# Altium PCB POT 10x8.PcbDoc (part 4 of 4) (continued)
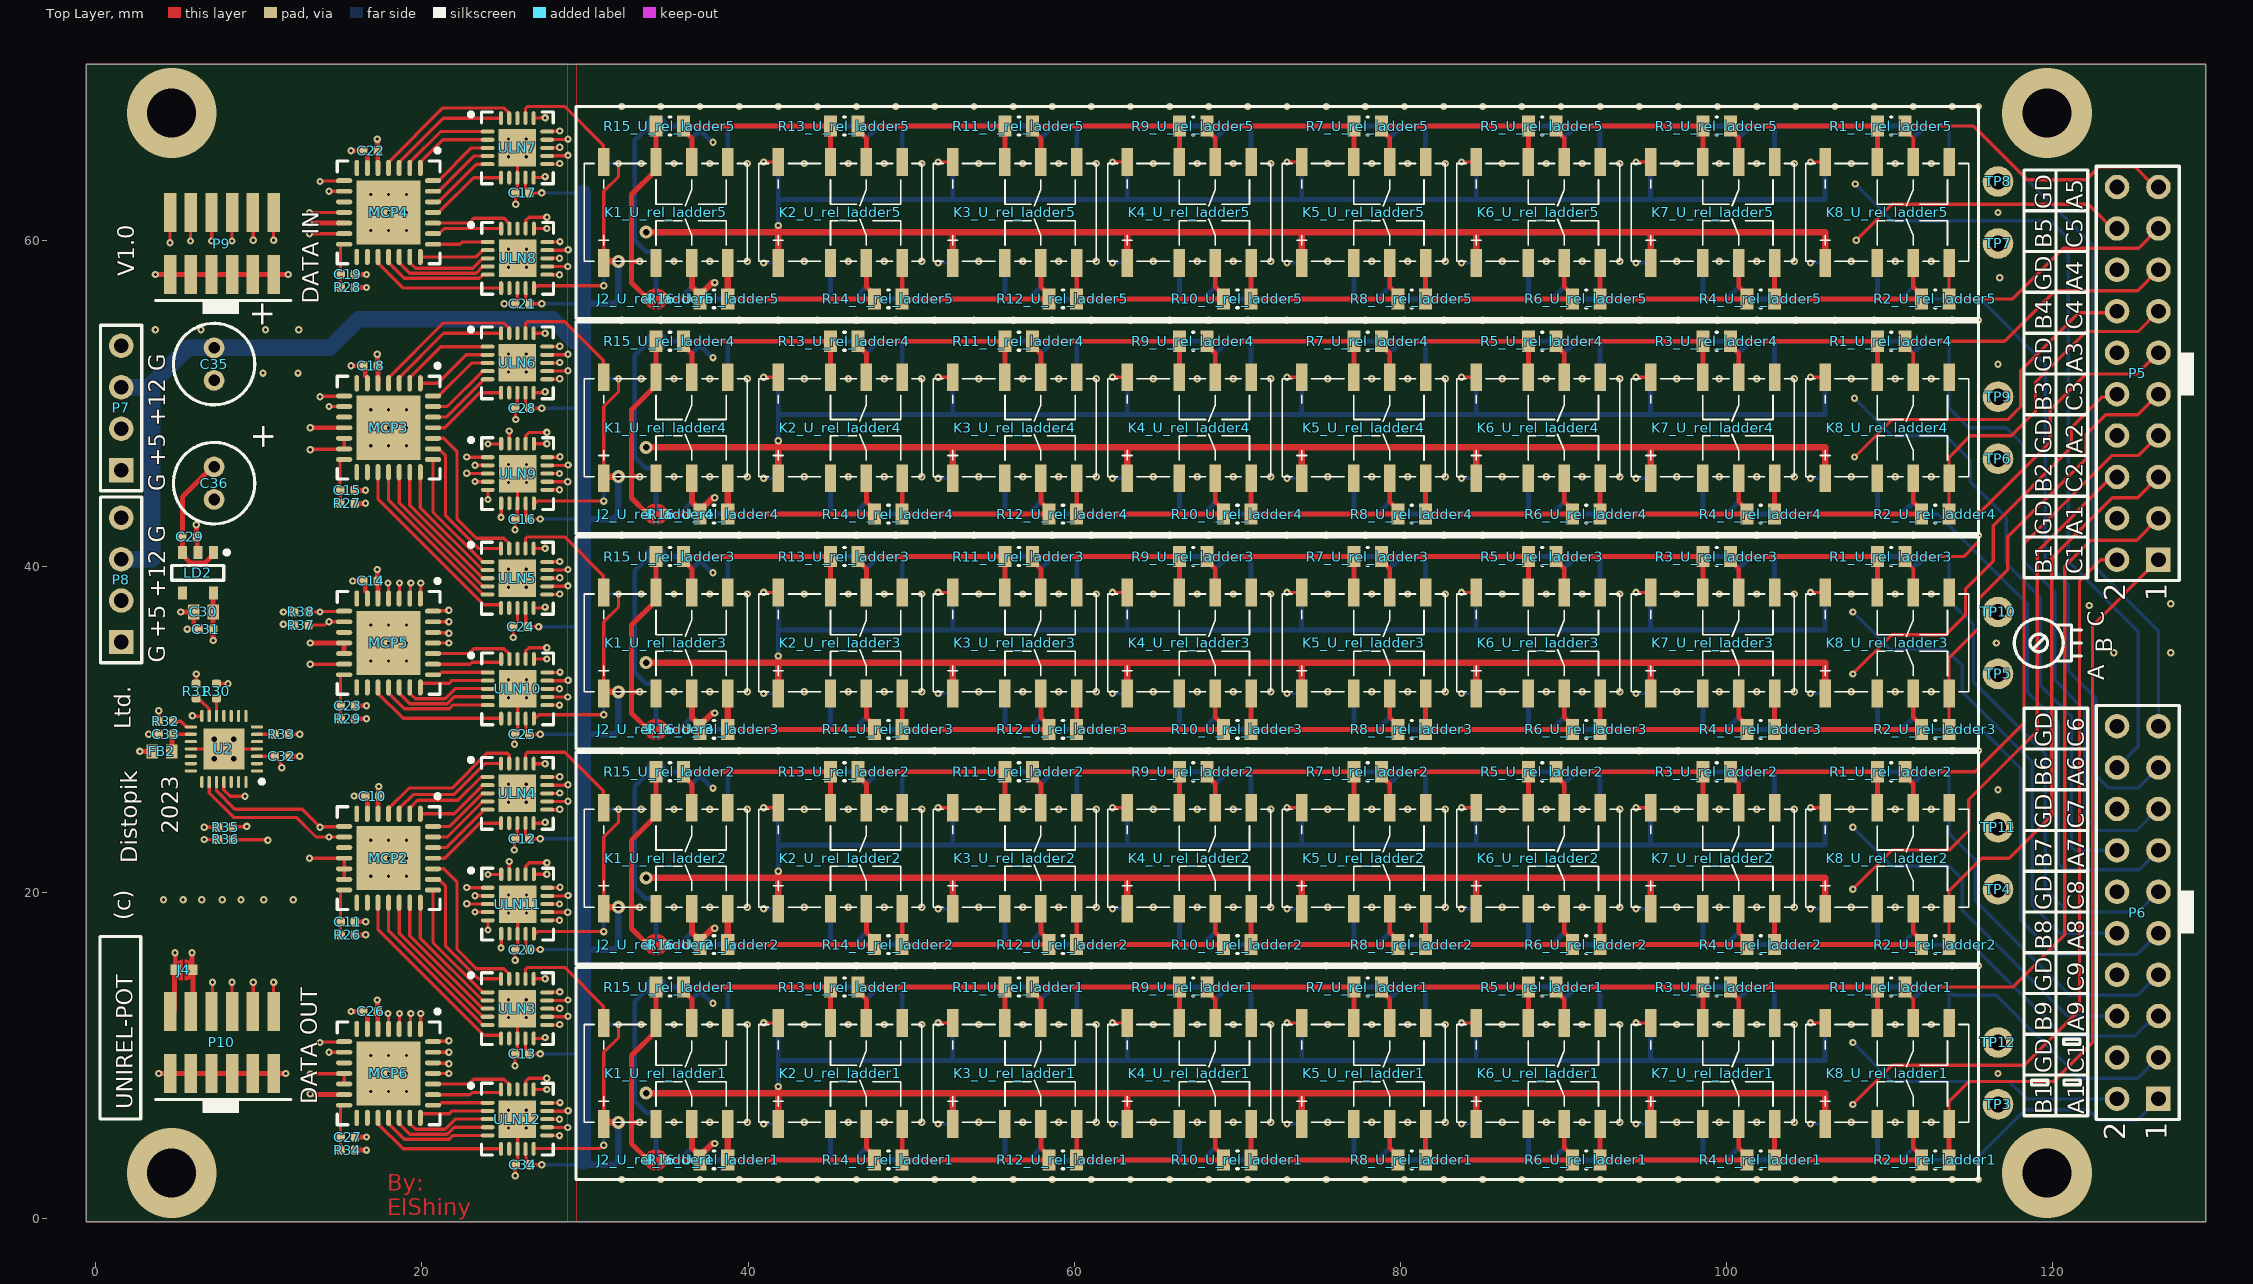
[diagram p0: Top Layer view]
## Nets (pads, with @x,y where several pads share a name; then routed paths per layer and width w, separated by ;. In a path a pad name is that pad's centre, name@x,y a point inside that pad or via, vN(x,y) a via of type N, cw(c..) or ccw(c..) an arc to the next point about the centre after c; other vN are vias at no path point) (continued)
  Top Layer w0.2: MCP2.3@18.6,24.825 18.6,25.148 18.677,25.225 19.452,26 21.95,26 23.852,27.902 ULN4.20@24.85,27.902
NetMCP2_4: MCP2.4 ULN4.19 | length 9.7
  Top Layer w0.2: MCP2.4@17.95,24.825 17.95,25.148 18.027,25.225 19.202,26.4 21.85,26.4 23.979,28.529 25.233,28.529 25.35,28.412 ULN4.19@25.35,27.902
NetMCP2_17: MCP2.17 ULN3.6 | length 12.1
  Top Layer w0.2: MCP2.17@17.3,19.375 17.3,17.75 23.8,11.25 24.827,11.25 24.85,11.227 ULN3.6@24.85,11.05
NetMCP2_18: MCP2.18 ULN3.5 | length 10.2
  Top Layer w0.2: MCP2.18@17.95,19.375 17.95,17.65 23.725,11.875 ULN3.5@24.025,11.875
NetMCP2_19: MCP2.19 ULN3.4 | length 9.4
  Top Layer w0.2: MCP2.19@18.6,19.375 18.6,17.5 23.725,12.375 ULN3.4@24.025,12.375
NetMCP2_20: MCP2.20 ULN3.3 | length 8.7
  Top Layer w0.2: MCP2.20@19.25,19.375 19.25,17.35 23.725,12.875 ULN3.3@24.025,12.875
NetMCP2_21: MCP2.21 ULN3.2 | length 7.9
  Top Layer w0.2: MCP2.21@19.9,19.375 19.9,17.2 23.725,13.375 ULN3.2@24.025,13.375
NetMCP2_22: MCP2.22 ULN3.1 | length 7.8
  Top Layer w0.2: MCP2.22@20.675,20.15 20.675,16.925 23.725,13.875 ULN3.1@24.025,13.875
NetMCP2_23: MCP2.23 ULN3.20 | length 8.9
  Top Layer w0.2: MCP2.23@20.675,20.8 21.025,20.8 21.448,20.377 21.448,16.702 23.45,14.7 ULN3.20@24.85,14.7
NetMCP2_24: MCP2.24 ULN3.19 | length 10.1
  Top Layer w0.2: MCP2.24@20.675,21.45 21.333,21.45 22.15,20.633 22.15,16.5 23.323,15.327 25.023,15.327 25.35,15 ULN3.19@25.35,14.7
NetMCP2_25: MCP2.25 ULN4.6 | length 5.1
  Top Layer w0.2: MCP2.25@20.675,22.1 21.4,22.1 23.545,24.245 ULN4.6@24.85,24.245
NetMCP2_26: MCP2.26 ULN4.5 | length 4.4
  Top Layer w0.2: MCP2.26@20.675,22.75 21.475,22.75 23.715,24.99 23.715,25.054 23.739,25.077 ULN4.5@24.025,25.077
NetMCP2_27: MCP2.27 ULN4.4 | length 4.3
  Top Layer w0.2: MCP2.27@20.675,23.4 21.548,23.4 23.725,25.577 ULN4.4@24.025,25.577
NetMCP2_28: MCP2.28 ULN4.3 | length 4.2
  Top Layer w0.2: MCP2.28@20.675,24.05 21.698,24.05 23.725,26.077 ULN4.3@24.025,26.077
NetMCP3_1: MCP3.1 ULN6.2 | length 4.8
  Top Layer w0.2: MCP3.1@19.9,51.225 20.956,51.225 22.701,52.97 ULN6.2@24.025,52.97
NetMCP3_2: MCP3.2 ULN6.1 | length 5.9
  Top Layer w0.2: MCP3.2@19.25,51.225 19.25,51.575 21.145,53.47 ULN6.1@24.025,53.47
NetMCP3_3: MCP3.3 ULN6.20 | length 7.7
  Top Layer w0.2: MCP3.3@18.6,51.225 18.6,51.575 21.32,54.295 ULN6.20@24.85,54.295
NetMCP3_4: MCP3.4 ULN6.19 | length 9.6
  Top Layer w0.2: MCP3.4@17.95,51.225 17.95,51.575 21.297,54.922 25.023,54.922 25.35,54.595 ULN6.19@25.35,54.295
NetMCP3_17: MCP3.17 ULN5.6 | length 12.1
  Top Layer w0.2: MCP3.17@17.3,45.775 17.3,44.15 23.8,37.65 24.827,37.65 24.85,37.627 ULN5.6@24.85,37.45
NetMCP3_18: MCP3.18 ULN5.5 | length 10.2
  Top Layer w0.2: MCP3.18@17.95,45.775 17.95,44.05 23.725,38.275 ULN5.5@24.025,38.275
NetMCP3_19: MCP3.19 ULN5.4 | length 9.4
  Top Layer w0.2: MCP3.19@18.6,45.775 18.6,43.9 23.725,38.775 ULN5.4@24.025,38.775
NetMCP3_20: MCP3.20 ULN5.3 | length 8.7
  Top Layer w0.2: MCP3.20@19.25,45.775 19.25,43.75 23.725,39.275 ULN5.3@24.025,39.275
NetMCP3_21: MCP3.21 ULN5.2 | length 7.9
  Top Layer w0.2: MCP3.21@19.9,45.775 19.9,43.6 23.725,39.775 ULN5.2@24.025,39.775
NetMCP3_22: MCP3.22 ULN5.1 | length 7.8
  Top Layer w0.2: MCP3.22@20.675,46.55 20.675,43.325 23.725,40.275 ULN5.1@24.025,40.275
NetMCP3_23: MCP3.23 ULN5.20 | length 8.9
  Top Layer w0.2: MCP3.23@20.675,47.2 21.025,47.2 21.448,46.777 21.448,43.102 23.45,41.1 ULN5.20@24.85,41.1
NetMCP3_24: MCP3.24 ULN5.19 | length 10.1
  Top Layer w0.2: MCP3.24@20.675,47.85 21.333,47.85 22.15,47.033 22.15,42.9 23.323,41.727 25.023,41.727 25.35,41.4 ULN5.19@25.35,41.1
NetMCP3_25: MCP3.25 ULN6.6 | length 5.1
  Top Layer w0.2: MCP3.25@20.675,48.5 21.4,48.5 23.545,50.645 ULN6.6@24.85,50.645
NetMCP3_26: MCP3.26 ULN6.5 | length 4.3
  Top Layer w0.2: MCP3.26@20.675,49.15 21.475,49.15 23.715,51.39 23.715,51.447 23.739,51.47 ULN6.5@24.025,51.47
NetMCP3_27: MCP3.27 ULN6.4 | length 4.2
  Top Layer w0.2: MCP3.27@20.675,49.8 21.555,49.8 23.725,51.97 ULN6.4@24.025,51.97
NetMCP3_28: MCP3.28 ULN6.3 | length 4.2
  Top Layer w0.2: MCP3.28@20.675,50.45 21.025,50.45 23.045,52.47 ULN6.3@24.025,52.47
NetMCP4_1: MCP4.1 ULN7.2 | length 5
  Top Layer w0.2: MCP4.1@19.9,64.425 19.9,64.775 21.284,66.159 ULN7.2@24.025,66.159
NetMCP4_2: MCP4.2 ULN7.1 | length 5.9
  Top Layer w0.2: MCP4.2@19.25,64.425 19.25,64.775 21.134,66.659 ULN7.1@24.025,66.659
NetMCP4_3: MCP4.3 ULN7.20 | length 7.7
  Top Layer w0.2: MCP4.3@18.6,64.425 18.6,64.775 21.309,67.484 ULN7.20@24.85,67.484
NetMCP4_4: MCP4.4 ULN7.19 | length 9.6
  Top Layer w0.2: MCP4.4@17.95,64.425 17.95,64.775 21.286,68.111 25.023,68.111 25.35,67.784 ULN7.19@25.35,67.484
NetMCP4_17: MCP4.17 ULN8.6 | length 8.6
  Top Layer w0.2: MCP4.17@17.3,58.975 17.3,58.625 18.862,57.063 ULN8.6@24.859,57.063
NetMCP4_18: MCP4.18 ULN8.5 | length 6.9
  Top Layer w0.2: MCP4.18@17.95,58.975 17.95,58.625 18.905,57.67 23.502,57.67 23.72,57.888 ULN8.5@24.034,57.888
NetMCP4_19: MCP4.19 ULN8.4 | length 6.2
  Top Layer w0.2: MCP4.19@18.6,58.975 18.6,58.625 19.253,57.972 23.317,57.972 23.734,58.388 ULN8.4@24.034,58.388
NetMCP4_20: MCP4.20 ULN8.3 | length 5.5
  Top Layer w0.2: MCP4.20@19.25,58.975 19.25,58.625 19.602,58.273 23.119,58.273 23.734,58.888 ULN8.3@24.034,58.888
NetMCP4_21: MCP4.21 ULN8.2 | length 4.3
  Top Layer w0.2: MCP4.21@19.9,58.975 23.321,58.975 23.734,59.388 ULN8.2@24.034,59.388
NetMCP4_22: MCP4.22 ULN8.1 | length 3.4
  Top Layer w0.2: MCP4.22@20.675,59.75 22.327,59.75 22.465,59.888 ULN8.1@24.034,59.888
NetMCP4_23: MCP4.23 ULN8.20 | length 4.3
  Top Layer w0.2: MCP4.23@20.675,60.4 21.035,60.4 21.348,60.713 ULN8.20@24.859,60.713
NetMCP4_24: MCP4.24 ULN8.19 | length 5.2
  Top Layer w0.2: MCP4.24@20.675,61.05 22.888,61.05 23.178,61.34 25.032,61.34 25.359,61.013 ULN8.19@25.359,60.713
NetMCP4_25: MCP4.25 ULN7.6 | length 5.1
  Top Layer w0.2: MCP4.25@20.675,61.7 21.025,61.7 23.159,63.834 ULN7.6@24.85,63.834
NetMCP4_26: MCP4.26 ULN7.5 | length 4.3
  Top Layer w0.2: MCP4.26@20.675,62.35 21.025,62.35 23.325,64.65 24.015,64.65 ULN7.5@24.025,64.659
NetMCP4_27: MCP4.27 ULN7.4 | length 4.2
  Top Layer w0.2: MCP4.27@20.675,63 21.025,63 23.184,65.159 ULN7.4@24.025,65.159
NetMCP4_28: MCP4.28 ULN7.3 | length 4.2
  Top Layer w0.2: MCP4.28@20.675,63.65 21.025,63.65 23.034,65.659 ULN7.3@24.025,65.659
NetMCP5_1: MCP5.1 ULN9.2 | length 10.7
  Top Layer w0.2: MCP5.1@19.919,38.006 v1(19.919,38.981) ; v1(23.25,46.2) 23.256,46.194 24.028,46.194 ULN9.2@24.034,46.188
  Mid Layer 1 w0.2: v1(19.919,38.981) 19.946,39.008 19.946,39.296 21.95,41.3 21.95,45.539 22.611,46.2 v1(23.25,46.2)
NetMCP5_2: MCP5.2 ULN9.1 | length 11.5
  Top Layer w0.2: MCP5.2@19.288,38.025 19.288,38.95 v1(19.319,38.981) ; v1(22.75,46.7) 22.756,46.694 24.028,46.694 ULN9.1@24.034,46.688
  Mid Layer 1 w0.2: v1(19.319,38.981) 19.346,39.008 19.346,39.296 21.55,41.5 21.55,45.64 22.509,46.599 22.581,46.599 22.682,46.7 v1(22.75,46.7)
NetMCP5_3: MCP5.3 ULN9.20 | length 13.2
  Top Layer w0.2: MCP5.3@18.619,38.006 v1(18.619,38.981) ; v1(24.05,47.5) 24.846,47.5 ULN9.20@24.859,47.513
  Mid Layer 1 w0.2: v1(18.619,38.981) 18.667,39.029 18.667,39.302 21.15,41.785 21.15,45.739 22.911,47.5 v1(24.05,47.5)
NetMCP5_4: MCP5.4 ULN9.19 | length 15.4
  Top Layer w0.2: v1(17.919,38.981) 17.95,38.95 MCP5.4@17.95,38.025 ; v1(25.35,48.3) 25.354,48.296 25.354,47.518 ULN9.19@25.359,47.513
  Mid Layer 1 w0.2: v1(17.919,38.981) 17.967,39.029 17.967,39.217 20.75,42 20.75,45.9 23.15,48.3 v1(25.35,48.3)
NetMCP5_17: MCP5.17 ULN10.6 | length 8.5
  Top Layer w0.2: MCP5.17@17.3,32.575 17.3,32.225 18.85,30.675 ULN10.6@24.85,30.675
NetMCP5_18: MCP5.18 ULN10.5 | length 6.9
  Top Layer w0.2: MCP5.18@17.95,32.575 17.95,32.225 18.905,31.27 21.665,31.27 21.894,31.5 ULN10.5@24.025,31.5
NetMCP5_19: MCP5.19 ULN10.4 | length 6.2
  Top Layer w0.2: MCP5.19@18.6,32.575 18.6,32.225 19.253,31.572 21.54,31.572 21.968,32 ULN10.4@24.025,32
NetMCP5_20: MCP5.20 ULN10.3 | length 5.5
  Top Layer w0.2: MCP5.20@19.25,32.575 19.25,32.225 19.602,31.873 21.415,31.873 22.041,32.5 ULN10.3@24.025,32.5
NetMCP5_21: MCP5.21 ULN10.2 | length 4.4
  Top Layer w0.2: MCP5.21@19.9,32.575 19.9,32.779 19.946,32.825 21.677,32.825 21.852,33 ULN10.2@24.025,33
NetMCP5_22: MCP5.22 ULN10.1 | length 3.4
  Top Layer w0.2: MCP5.22@20.675,33.35 21.052,33.35 21.202,33.5 ULN10.1@24.025,33.5
NetMCP5_23: MCP5.23 ULN10.20 | length 4.4
  Top Layer w0.2: MCP5.23@20.675,34 22.941,34 23.066,34.125 24.827,34.125 24.85,34.148 ULN10.20@24.85,34.325
NetMCP5_24: MCP5.24 ULN10.19 | length 5.2
  Top Layer w0.2: MCP5.24@20.675,34.65 22.877,34.65 23.179,34.952 25.023,34.952 25.35,34.625 ULN10.19@25.35,34.325
NetMCP5_25: MCP5.25 ULN9.6 | length 11.5
  Top Layer w0.2: MCP5.25@20.675,35.3 v1(21.65,35.3) ; v1(24.85,43) 24.854,43.004 24.854,43.859 ULN9.6@24.859,43.863
  Mid Layer 1 w0.2: v1(21.65,35.3) 22.65,35.3 23.25,35.9 23.25,36.173 23.252,36.175 23.252,41.402 v1(24.85,43)
NetMCP5_26: MCP5.26 ULN9.5 | length 11.3
  Top Layer w0.2: MCP5.26@20.675,35.95 20.694,35.931 21.619,35.931 v1(21.65,35.9) ; ULN9.5@24.034,44.688 24.05,44.672 v1(24.05,44.1)
  Mid Layer 1 w0.2: v1(21.65,35.9) 22.55,35.9 22.95,36.3 22.95,43 v1(24.05,44.1)
NetMCP5_27: MCP5.27 ULN9.4 | length 11.4
  Top Layer w0.2: MCP5.27@20.675,36.6 v1(21.65,36.6) ; v1(23.25,45.2) 23.256,45.194 24.028,45.194 ULN9.4@24.034,45.188
  Mid Layer 1 w0.2: v1(21.65,36.6) 22.348,36.6 22.648,36.9 22.648,44.598 v1(23.25,45.2)
NetMCP5_28: MCP5.28 ULN9.3 | length 11.4
  Top Layer w0.2: MCP5.28@20.675,37.25 20.694,37.269 21.619,37.269 v1(21.65,37.3) ; v1(22.75,45.7) 22.756,45.694 24.028,45.694 ULN9.3@24.034,45.688
  Mid Layer 1 w0.2: v1(21.65,37.3) 22.05,37.3 22.347,37.597 22.347,45.297 v1(22.75,45.7)
NetMCP6_1: MCP6.1 ULN11.2 | length 10.7
  Top Layer w0.2: MCP6.1@19.919,11.606 v1(19.919,12.581) ; v1(23.25,19.8) 23.256,19.794 24.028,19.794 ULN11.2@24.034,19.788
  Mid Layer 1 w0.2: v1(19.919,12.581) 19.946,12.608 19.946,12.896 21.95,14.9 21.95,19.139 22.611,19.8 v1(23.25,19.8)
NetMCP6_2: MCP6.2 ULN11.1 | length 11.5
  Top Layer w0.2: MCP6.2@19.288,11.625 19.288,12.55 v1(19.319,12.581) ; v1(22.75,20.3) 22.756,20.294 24.028,20.294 ULN11.1@24.034,20.288
  Mid Layer 1 w0.2: v1(19.319,12.581) 19.346,12.608 19.346,12.896 21.55,15.1 21.55,19.24 22.509,20.199 22.581,20.199 22.682,20.3 v1(22.75,20.3)
NetMCP6_3: MCP6.3 ULN11.20 | length 13.2
  Top Layer w0.2: MCP6.3@18.619,11.606 v1(18.619,12.581) ; v1(24.05,21.1) 24.846,21.1 ULN11.20@24.859,21.113
  Mid Layer 1 w0.2: v1(18.619,12.581) 18.667,12.629 18.667,12.902 21.15,15.385 21.15,19.339 22.911,21.1 v1(24.05,21.1)
NetMCP6_4: MCP6.4 ULN11.19 | length 15.4
  Top Layer w0.2: v1(17.919,12.581) 17.95,12.55 MCP6.4@17.95,11.625 ; v1(25.35,21.9) 25.354,21.896 25.354,21.118 ULN11.19@25.359,21.113
  Mid Layer 1 w0.2: v1(17.919,12.581) 17.967,12.629 17.967,12.817 20.75,15.6 20.75,19.5 23.15,21.9 v1(25.35,21.9)
NetMCP6_17: MCP6.17 ULN12.6 | length 8.5
  Top Layer w0.2: MCP6.17@17.3,6.175 17.3,5.825 18.85,4.275 ULN12.6@24.85,4.275
NetMCP6_18: MCP6.18 ULN12.5 | length 6.9
  Top Layer w0.2: MCP6.18@17.95,6.175 17.95,5.825 18.905,4.87 21.665,4.87 21.894,5.1 ULN12.5@24.025,5.1
NetMCP6_19: MCP6.19 ULN12.4 | length 6.2
  Top Layer w0.2: MCP6.19@18.6,6.175 18.6,5.825 19.253,5.172 21.54,5.172 21.968,5.6 ULN12.4@24.025,5.6
NetMCP6_20: MCP6.20 ULN12.3 | length 5.5
  Top Layer w0.2: MCP6.20@19.25,6.175 19.25,5.825 19.602,5.473 21.415,5.473 22.041,6.1 ULN12.3@24.025,6.1
NetMCP6_21: MCP6.21 ULN12.2 | length 4.4
  Top Layer w0.2: MCP6.21@19.9,6.175 19.9,6.379 19.946,6.425 21.677,6.425 21.852,6.6 ULN12.2@24.025,6.6
NetMCP6_22: MCP6.22 ULN12.1 | length 3.4
  Top Layer w0.2: MCP6.22@20.675,6.95 21.052,6.95 21.202,7.1 ULN12.1@24.025,7.1
NetMCP6_23: MCP6.23 ULN12.20 | length 4.4
  Top Layer w0.2: MCP6.23@20.675,7.6 22.941,7.6 23.066,7.725 24.827,7.725 24.85,7.748 ULN12.20@24.85,7.925
NetMCP6_24: MCP6.24 ULN12.19 | length 5.2
  Top Layer w0.2: MCP6.24@20.675,8.25 22.877,8.25 23.179,8.552 25.023,8.552 25.35,8.225 ULN12.19@25.35,7.925
NetMCP6_25: MCP6.25 ULN11.6 | length 11.5
  Top Layer w0.2: MCP6.25@20.675,8.9 v1(21.65,8.9) ; v1(24.85,16.6) 24.854,16.604 24.854,17.459 ULN11.6@24.859,17.463
  Mid Layer 1 w0.2: v1(21.65,8.9) 22.65,8.9 23.25,9.5 23.25,9.773 23.252,9.775 23.252,15.002 v1(24.85,16.6)
NetMCP6_26: MCP6.26 ULN11.5 | length 11.3
  Top Layer w0.2: MCP6.26@20.675,9.55 20.694,9.531 21.619,9.531 v1(21.65,9.5) ; ULN11.5@24.034,18.288 24.05,18.272 v1(24.05,17.7)
  Mid Layer 1 w0.2: v1(21.65,9.5) 22.55,9.5 22.95,9.9 22.95,16.6 v1(24.05,17.7)
NetMCP6_27: MCP6.27 ULN11.4 | length 11.4
  Top Layer w0.2: MCP6.27@20.675,10.2 v1(21.65,10.2) ; v1(23.25,18.8) 23.256,18.794 24.028,18.794 ULN11.4@24.034,18.788
  Mid Layer 1 w0.2: v1(21.65,10.2) 22.348,10.2 22.648,10.5 22.648,18.198 v1(23.25,18.8)
NetMCP6_28: MCP6.28 ULN11.3 | length 11.4
  Top Layer w0.2: MCP6.28@20.675,10.85 20.694,10.869 21.619,10.869 v1(21.65,10.9) ; v1(22.75,19.3) 22.756,19.294 24.028,19.294 ULN11.3@24.034,19.288
  Mid Layer 1 w0.2: v1(21.65,10.9) 22.05,10.9 22.347,11.197 22.347,18.897 v1(22.75,19.3)
NetR30_2: R30.2 U2.12 | length 1.1
  Top Layer w0.2: U2.12@7.4,30.825 R30.2@7.4,31.91
NetR31_2: R31.2 U2.13 | length 1.5
  Top Layer w0.2: R31.2@6.15,31.91 6.291,31.769 6.431,31.769 6.95,31.25 U2.13@6.95,30.825
NetR32_2: R32.2 U2.15 | length 1.4
  Top Layer w0.2: R32.2@4.59,30.5 5.2,30.5 5.55,30.15 U2.15@5.825,30.15
NetR33_2: R33.2 U2.6 | length 1.1
  Top Layer w0.2: U2.6@9.875,29.7 R33.2@10.96,29.7
R\E\S\E\T\: P9.10 P10.10 R35.2 U2.25 | length 52.7
  Top Layer w0.2: U2.25@7.85,26.775 7.85,26.282 8.232,25.9 v1(9.15,25.9) ; R35.2@8.39,24 8.415,24.025 9.225,24.025 v1(9.25,24.05) ; P10.10@9.63,12.71 9.65,12.73 v1(9.65,14.5) ; P9.10@9.63,61.7 9.65,61.68 v1(9.65,60)
  Mid Layer 2 w0.2: v1(9.15,25.9) 9.65,25.9 ; v1(9.25,24.05) 9.65,24.05 ; v1(9.65,14.5) 9.65,24.05 ; v1(9.65,60) 9.65,25.9 ; 9.65,24.05 9.65,25.9
S\S\: P9.8 P10.8 R30.1 | length 51.7
  Top Layer w0.2: R30.1@7.4,32.79 7.405,32.795 8.095,32.795 v1(8.1,32.8) ; v1(8.35,14.5) 8.35,12.72 P10.8@8.36,12.71 ; v1(8.35,59.95) 8.35,61.69 P9.8@8.36,61.7
  Mid Layer 2 w0.2: v1(8.1,32.8) 8.9,32.8 8.9,32.3 9.15,32.05 9.15,27.35 8.35,26.55 v1(8.35,14.5) ; v1(8.35,59.95) 8.95,59.35 8.95,32.25
SCK: P9.6 P10.6 R32.1 | length 54.2
  Top Layer w0.2: v1(3.85,31.15) 3.855,31.145 3.855,30.505 R32.1@3.86,30.5 ; P10.6@7.09,12.71 7.15,12.77 v1(7.15,14.5) ; P9.6@7.09,61.7 7.1,61.69 v1(7.1,59.95)
  Mid Layer 2 w0.2: v1(3.85,31.15) 4.2,31.5 6.8,31.5 ; v1(7.1,59.95) 8.25,58.8 8.25,35.861 6.8,34.411 6.8,31.5 ; v1(7.15,14.5) 7.15,25.8 6.55,26.4 6.55,31.25 6.8,31.5
SCL: MCP2.8 MCP3.8 MCP4.8 MCP5.8 MCP6.8 R38.2 U2.24 | length 68.8
  Top Layer w0.2: U2.24@7.4,26.775 7.4,26.227 8.527,25.1 12.65,25.1 v1(13.75,24) 13.781,24.031 15.206,24.031 MCP2.8@15.225,24.05 ; R38.2@13.04,37.2 v1(13.75,37.2) 13.781,37.231 15.206,37.231 MCP5.8@15.225,37.25 ; v1(13.75,10.8) 13.781,10.831 15.206,10.831 MCP6.8@15.225,10.85 ; v1(13.75,50.4) 13.781,50.431 15.206,50.431 MCP3.8@15.225,50.45 ; v1(13.75,63.6) 13.781,63.631 15.206,63.631 MCP4.8@15.225,63.65
  Mid Layer 2 w0.2: v1(13.75,10.8) v1(13.75,24) v1(13.75,37.2) v1(13.75,50.4) v1(13.75,63.6)
SDA: MCP2.9 MCP3.9 MCP4.9 MCP5.9 MCP6.9 R37.2 U2.23 | length 67.9
  Top Layer w0.2: U2.23@6.95,26.775 6.95,26.1 8.45,24.6 12.3,24.6 13.5,23.4 v1(14.3,23.4) MCP2.9@15.225,23.4 ; R37.2@13.04,36.4 14.032,36.4 14.232,36.6 v1(14.3,36.6) MCP5.9@15.225,36.6 ; v1(14.3,10.2) MCP6.9@15.225,10.2 ; v1(14.3,49.8) MCP3.9@15.225,49.8 ; v1(14.3,63) MCP4.9@15.225,63
  Mid Layer 2 w0.2: v1(14.3,10.2) v1(14.3,23.4) v1(14.3,36.6) v1(14.3,49.8) v1(14.3,63)
pads on no net: K1_U_rel_ladder1.2 K1_U_rel_ladder1.5 K1_U_rel_ladder2.2 K1_U_rel_ladder2.5 K1_U_rel_ladder3.2 K1_U_rel_ladder3.5 K1_U_rel_ladder4.2 K1_U_rel_ladder4.5 K1_U_rel_ladder5.2 K1_U_rel_ladder5.5 K1_U_rel_ladder6.2 K1_U_rel_ladder6.5 K1_U_rel_ladder7.2 K1_U_rel_ladder7.5 K1_U_rel_ladder8.2 K1_U_rel_ladder8.5 K1_U_rel_ladder9.2 K1_U_rel_ladder9.5 K1_U_rel_ladder10.2 K1_U_rel_ladder10.5 K2_U_rel_ladder1.2 K2_U_rel_ladder1.5 K2_U_rel_ladder2.2 K2_U_rel_ladder2.5 K2_U_rel_ladder3.2 K2_U_rel_ladder3.5 K2_U_rel_ladder4.2 K2_U_rel_ladder4.5 K2_U_rel_ladder5.2 K2_U_rel_ladder5.5 K2_U_rel_ladder6.2 K2_U_rel_ladder6.5 K2_U_rel_ladder7.2 K2_U_rel_ladder7.5 K2_U_rel_ladder8.2 K2_U_rel_ladder8.5 K2_U_rel_ladder9.2 K2_U_rel_ladder9.5 K2_U_rel_ladder10.2 K2_U_rel_ladder10.5 K3_U_rel_ladder1.2 K3_U_rel_ladder1.5 K3_U_rel_ladder2.2 K3_U_rel_ladder2.5 K3_U_rel_ladder3.2 K3_U_rel_ladder3.5 K3_U_rel_ladder4.2 K3_U_rel_ladder4.5 K3_U_rel_ladder5.2 K3_U_rel_ladder5.5 K3_U_rel_ladder6.2 K3_U_rel_ladder6.5 K3_U_rel_ladder7.2 K3_U_rel_ladder7.5 K3_U_rel_ladder8.2 K3_U_rel_ladder8.5 K3_U_rel_ladder9.2 K3_U_rel_ladder9.5 K3_U_rel_ladder10.2 K3_U_rel_ladder10.5 K4_U_rel_ladder1.2 K4_U_rel_ladder1.5 K4_U_rel_ladder2.2 K4_U_rel_ladder2.5 K4_U_rel_ladder3.2 K4_U_rel_ladder3.5 K4_U_rel_ladder4.2 K4_U_rel_ladder4.5 K4_U_rel_ladder5.2 K4_U_rel_ladder5.5 K4_U_rel_ladder6.2 K4_U_rel_ladder6.5 K4_U_rel_ladder7.2 K4_U_rel_ladder7.5 K4_U_rel_ladder8.2 K4_U_rel_ladder8.5 K4_U_rel_ladder9.2 K4_U_rel_ladder9.5 K4_U_rel_ladder10.2 K4_U_rel_ladder10.5 K5_U_rel_ladder1.2 K5_U_rel_ladder1.5 K5_U_rel_ladder2.2 K5_U_rel_ladder2.5 K5_U_rel_ladder3.2 K5_U_rel_ladder3.5 K5_U_rel_ladder4.2 K5_U_rel_ladder4.5 K5_U_rel_ladder5.2 K5_U_rel_ladder5.5 K5_U_rel_ladder6.2 K5_U_rel_ladder6.5 K5_U_rel_ladder7.2 K5_U_rel_ladder7.5 K5_U_rel_ladder8.2 K5_U_rel_ladder8.5 K5_U_rel_ladder9.2 K5_U_rel_ladder9.5 K5_U_rel_ladder10.2 K5_U_rel_ladder10.5 K6_U_rel_ladder1.2 K6_U_rel_ladder1.5 K6_U_rel_ladder2.2 K6_U_rel_ladder2.5 K6_U_rel_ladder3.2 K6_U_rel_ladder3.5 K6_U_rel_ladder4.2 K6_U_rel_ladder4.5 K6_U_rel_ladder5.2 K6_U_rel_ladder5.5 K6_U_rel_ladder6.2 K6_U_rel_ladder6.5 K6_U_rel_ladder7.2 K6_U_rel_ladder7.5 K6_U_rel_ladder8.2 K6_U_rel_ladder8.5 K6_U_rel_ladder9.2 K6_U_rel_ladder9.5 K6_U_rel_ladder10.2 K6_U_rel_ladder10.5 K7_U_rel_ladder1.2 K7_U_rel_ladder1.5 K7_U_rel_ladder2.2 K7_U_rel_ladder2.5 K7_U_rel_ladder3.2 K7_U_rel_ladder3.5 K7_U_rel_ladder4.2 K7_U_rel_ladder4.5 K7_U_rel_ladder5.2 K7_U_rel_ladder5.5 K7_U_rel_ladder6.2 K7_U_rel_ladder6.5 K7_U_rel_ladder7.2 K7_U_rel_ladder7.5 K7_U_rel_ladder8.2 K7_U_rel_ladder8.5 K7_U_rel_ladder9.2 K7_U_rel_ladder9.5 K7_U_rel_ladder10.2 K7_U_rel_ladder10.5 K8_U_rel_ladder1.2 K8_U_rel_ladder1.5 K8_U_rel_ladder2.2 K8_U_rel_ladder2.5 K8_U_rel_ladder3.2 K8_U_rel_ladder3.5 K8_U_rel_ladder4.2 K8_U_rel_ladder4.5 K8_U_rel_ladder5.2 K8_U_rel_ladder5.5 K8_U_rel_ladder6.2 K8_U_rel_ladder6.5 K8_U_rel_ladder7.2 K8_U_rel_ladder7.5 K8_U_rel_ladder8.2 K8_U_rel_ladder8.5 K8_U_rel_ladder9.2 K8_U_rel_ladder9.5 K8_U_rel_ladder10.2 K8_U_rel_ladder10.5 LD2.4 MCP2.7 MCP2.10 MCP2.15 MCP2.16 MCP3.7 MCP3.10 MCP3.15 MCP3.16 MCP4.7 MCP4.10 MCP4.15 MCP4.16 MCP5.7 MCP5.10 MCP5.15 MCP5.16 MCP6.7 MCP6.10 MCP6.15 MCP6.16 U2.1 U2.2 U2.5 U2.7 U2.8 U2.9 U2.10 U2.11 U2.17 U2.19 U2.20 U2.21 U2.22 U2.26 U2.27 U2.28 ULN3.7 ULN3.18 ULN4.7 ULN4.18 ULN5.7 ULN5.18 ULN6.7 ULN6.18 ULN7.7 ULN7.18 ULN8.7 ULN8.18 ULN9.7 ULN9.18 ULN10.7 ULN10.18 ULN11.7 ULN11.18 ULN12.7 ULN12.18
copper on no net:
  other v5: 4.65,2.8 119.65,2.8 4.65,67.8 119.65,67.8

## Polygon pours and split planes (outlines as drawn)
GND on Top Layer "NONET_L-01_P-001" (solid, remove dead copper, shelved, pour order 5): 28.95,-0.2 28.95,70.8 -0.6,70.8 -0.6,-0.2
AGND on Top Layer "NONET_L-01_P-001" (solid, remove dead copper, shelved, pour order 1): 29.45,70.8 29.45,-0.2 129.4,-0.2 129.4,70.8
no net on Top Overlay "NONET_L-01_P-001" (solid, shelved): 6.55,7.3 6.55,6.5 8.75,6.5 8.75,7.3
no net on Top Overlay "NONET_L-01_P-001" (solid, shelved): 6.55,56.3 6.55,55.5 8.75,55.5 8.75,56.3
no net on Top Overlay "NONET_L-01_P-001" (solid, shelved): 127.75,53.1 128.65,53.1 128.65,50.5 127.75,50.5
no net on Top Overlay "NONET_L-01_P-001" (solid, shelved): 127.75,20.1 128.65,20.1 128.65,17.5 127.75,17.5
+3.3V on Mid Layer 1 "NONET_L-01_P-001" (solid, remove dead copper, shelved, pour order 6): 28.95,-0.2 28.95,70.8 -0.6,70.8 -0.6,-0.2
AGND on Mid Layer 1 "NONET_L-01_P-001" (solid, remove dead copper, shelved, pour order 2): 29.45,70.8 29.45,-0.2 129.4,-0.2 129.4,70.8
GND on Mid Layer 2 "NONET_L-01_P-001" (solid, remove dead copper, shelved, pour order 7): 28.95,-0.2 28.95,70.6 -0.6,70.6 -0.6,-0.2
AGND on Mid Layer 2 "NONET_L-01_P-001" (solid, remove dead copper, shelved, pour order 3): 29.45,70.8 29.45,-0.2 129.4,-0.2 129.4,70.8
AGND on Bottom Layer "NONET_L-01_P-001" (solid, remove dead copper, shelved, pour order 4): 29.45,70.8 29.45,-0.2 129.4,-0.2 129.4,70.8
GND on Bottom Layer "NONET_L-01_P-001" (solid, remove dead copper, shelved, pour order 8): 28.95,-0.2 28.95,70.8 -0.6,70.8 -0.6,-0.2

## Other copper
Top Layer:
  text "By: / ElShiny" at 17.884,0.2 h1

## Silkscreen, mask and mechanical layers (free items; w line width, h text height)
Top Overlay:
  drawing of 483 lines, arcs and shapes, not listed
  text "GD" at 119.95,61.9 h1 r90
  text "A5" at 121.85,61.9 h1 r90
  text "B5" at 119.95,59.5 h1 r90
  text "C5" at 121.85,59.5 h1 r90
  text "V1.0" at 2.35,57.8 h1 r90
  text "GD" at 119.95,56.9 h1 r90
  text "A4" at 121.85,56.9 h1 r90
  text "DATA IN" at 13.654,56.113 h1 r90
  text "B4" at 119.95,54.5 h1 r90
  text "C4" at 121.85,54.5 h1 r90
  text "GD" at 119.95,51.9 h1 r90
  text "A3" at 121.85,51.9 h1 r90
  text "B3" at 119.95,49.5 h1 r90
  text "C3" at 121.85,49.5 h1 r90
  text "GD" at 119.95,46.9 h1 r90
  text "A2" at 121.85,46.9 h1 r90
  text "G +5 +12 G" at 4.25,44.6 h1 r90
  text "B2" at 119.95,44.5 h1 r90
  text "C2" at 121.85,44.5 h1 r90
  text "GD" at 119.95,41.9 h1 r90
  text "A1" at 121.85,41.9 h1 r90
  text "B1" at 119.95,39.5 h1 r90
  text "C1" at 121.85,39.5 h1 r90
  text "C" at 123.15,36.3 h1 r90
  text "B" at 123.65,34.7 h1 r90
  text "G +5 +12 G" at 4.25,34.1 h1 r90
  text "A" at 123.15,33 h1 r90
  text "Ltd." at 2.15,30 h1 r90
  text "GD" at 119.95,28.9 h1 r90
  text "C6" at 121.95,28.9 h1 r90
  text "B6" at 119.95,26.5 h1 r90
  text "A6" at 121.95,26.5 h1 r90
  text "GD" at 119.95,23.9 h1 r90
  text "C7" at 121.95,23.9 h1 r90
  text "2023" at 5.05,23.6 h1 r90
  text "Distopik" at 2.55,21.8 h1 r90
  text "B7" at 119.95,21.5 h1 r90
  text "A7" at 121.95,21.5 h1 r90
  text "GD" at 119.95,18.9 h1 r90
  text "C8" at 121.95,18.9 h1 r90
  text "(c)" at 2.15,18.3 h1 r90
  text "B8" at 119.95,16.5 h1 r90
  text "A8" at 121.95,16.5 h1 r90
  text "GD" at 119.95,13.9 h1 r90
  text "C9" at 121.95,13.9 h1 r90
  text "B9" at 119.95,11.5 h1 r90
  text "A9" at 121.95,11.5 h1 r90
  text "GD" at 119.95,8.9 h1 r90
  text "C1" at 121.95,8.9 h1 r90
  text "DATA OUT" at 13.574,7.007 h1 r90
  text "UNIREL-POT" at 2.25,6.7 h1 r90
  text "B1" at 119.95,6.4 h1 r90
  text "A1" at 121.95,6.4 h1 r90
Bottom Overlay:
  lines w0.2: 29.45,2.4 115.45,2.4 ; 29.45,2.4 29.45,15.4 ; 29.45,2.4 115.45,2.4 ; 29.45,2.4 29.45,15.4 ; 29.45,2.4 29.45,15.4 ; 29.45,2.4 115.45,2.4 ; 29.45,15.4 115.45,15.4 ; 29.45,15.4 115.45,15.4 ; 29.45,15.4 115.45,15.4 ; 29.45,15.6 115.45,15.6 ; 29.45,15.6 29.45,28.6 ; 29.45,15.6 115.45,15.6 ; 29.45,15.6 29.45,28.6 ; 29.45,15.6 115.45,15.6 ; 29.45,15.6 29.45,28.6 ; 29.45,15.6 115.45,15.6 ; 29.45,15.6 29.45,28.6 ; 29.45,28.6 115.45,28.6 ; 29.45,28.6 115.45,28.6 ; 29.45,28.6 115.45,28.6 ; 29.45,28.6 115.45,28.6 ; 29.45,28.8 115.45,28.8 ; 29.45,28.8 29.45,41.8 ; 29.45,28.8 115.45,28.8 ; 29.45,28.8 29.45,41.8 ; 29.45,28.8 115.45,28.8 ; 29.45,28.8 29.45,41.8 ; 29.45,28.8 115.45,28.8 ; 29.45,28.8 29.45,41.8 ; 29.45,41.8 115.45,41.8 ; 29.45,41.8 115.45,41.8 ; 29.45,41.8 115.45,41.8 ; 29.45,41.8 115.45,41.8 ; 29.45,42 115.45,42 ; 29.45,42 29.45,55 ; 29.45,42 115.45,42 ; 29.45,42 29.45,55 ; 29.45,42 115.45,42 ; 29.45,42 115.45,42 ; 29.45,42 29.45,55 ; 29.45,55 115.45,55 ; 29.45,55 115.45,55 ; 29.45,55 115.45,55 ; 29.45,55 115.45,55 ; 29.45,55.2 115.45,55.2 ; 29.45,55.2 29.45,68.2 ; 29.45,55.2 115.45,55.2 ; 29.45,55.2 29.45,68.2 ; 29.45,55.2 115.45,55.2 ; 29.45,55.2 29.45,68.2 ; 29.45,55.2 115.45,55.2 ; 29.45,55.2 29.45,68.2 ; 29.45,68.2 115.45,68.2 ; 29.45,68.2 115.45,68.2 ; 29.45,68.2 115.45,68.2 ; 29.45,68.2 115.45,68.2 ; 115.45,2.4 115.45,15.4 ; 115.45,2.4 115.45,15.4 ; 115.45,2.4 115.45,15.4 ; 115.45,15.6 115.45,28.6 ; 115.45,15.6 115.45,28.6 ; 115.45,15.6 115.45,28.6 ; 115.45,15.6 115.45,28.6 ; 115.45,28.8 115.45,41.8 ; 115.45,28.8 115.45,41.8 ; 115.45,28.8 115.45,41.8 ; 115.45,28.8 115.45,41.8 ; 115.45,42 115.45,55 ; 115.45,42 115.45,55 ; 115.45,42 115.45,55 ; 115.45,42 115.45,55 ; 115.45,55.2 115.45,68.2 ; 115.45,55.2 115.45,68.2 ; 115.45,55.2 115.45,68.2 ; 115.45,55.2 115.45,68.2
Mechanical 1:
  lines w0.2: 128.75,70.8 129.4,70.8 ; 129.4,70.8 -0.6,70.8 -0.6,-0.2 129.4,-0.2 129.4,70.8

## Text inside footprints (layer, text, board x,y; h text height)
C35: Top Overlay "+" at 10.85,54.6 h1.5 r90
C36: Top Overlay "+" at 10.9,47.1 h1.5 r90
P5: Top Overlay "2" at 124.458,37.86 h1.27 r90; Top Overlay "1" at 126.998,37.86 h1.27 r90
P6: Top Overlay "2" at 124.458,4.8 h1.27 r90; Top Overlay "1" at 126.998,4.8 h1.27 r90